# Altium PCB Copy of MB1364.PcbDoc (part 5 of 8) (continued)
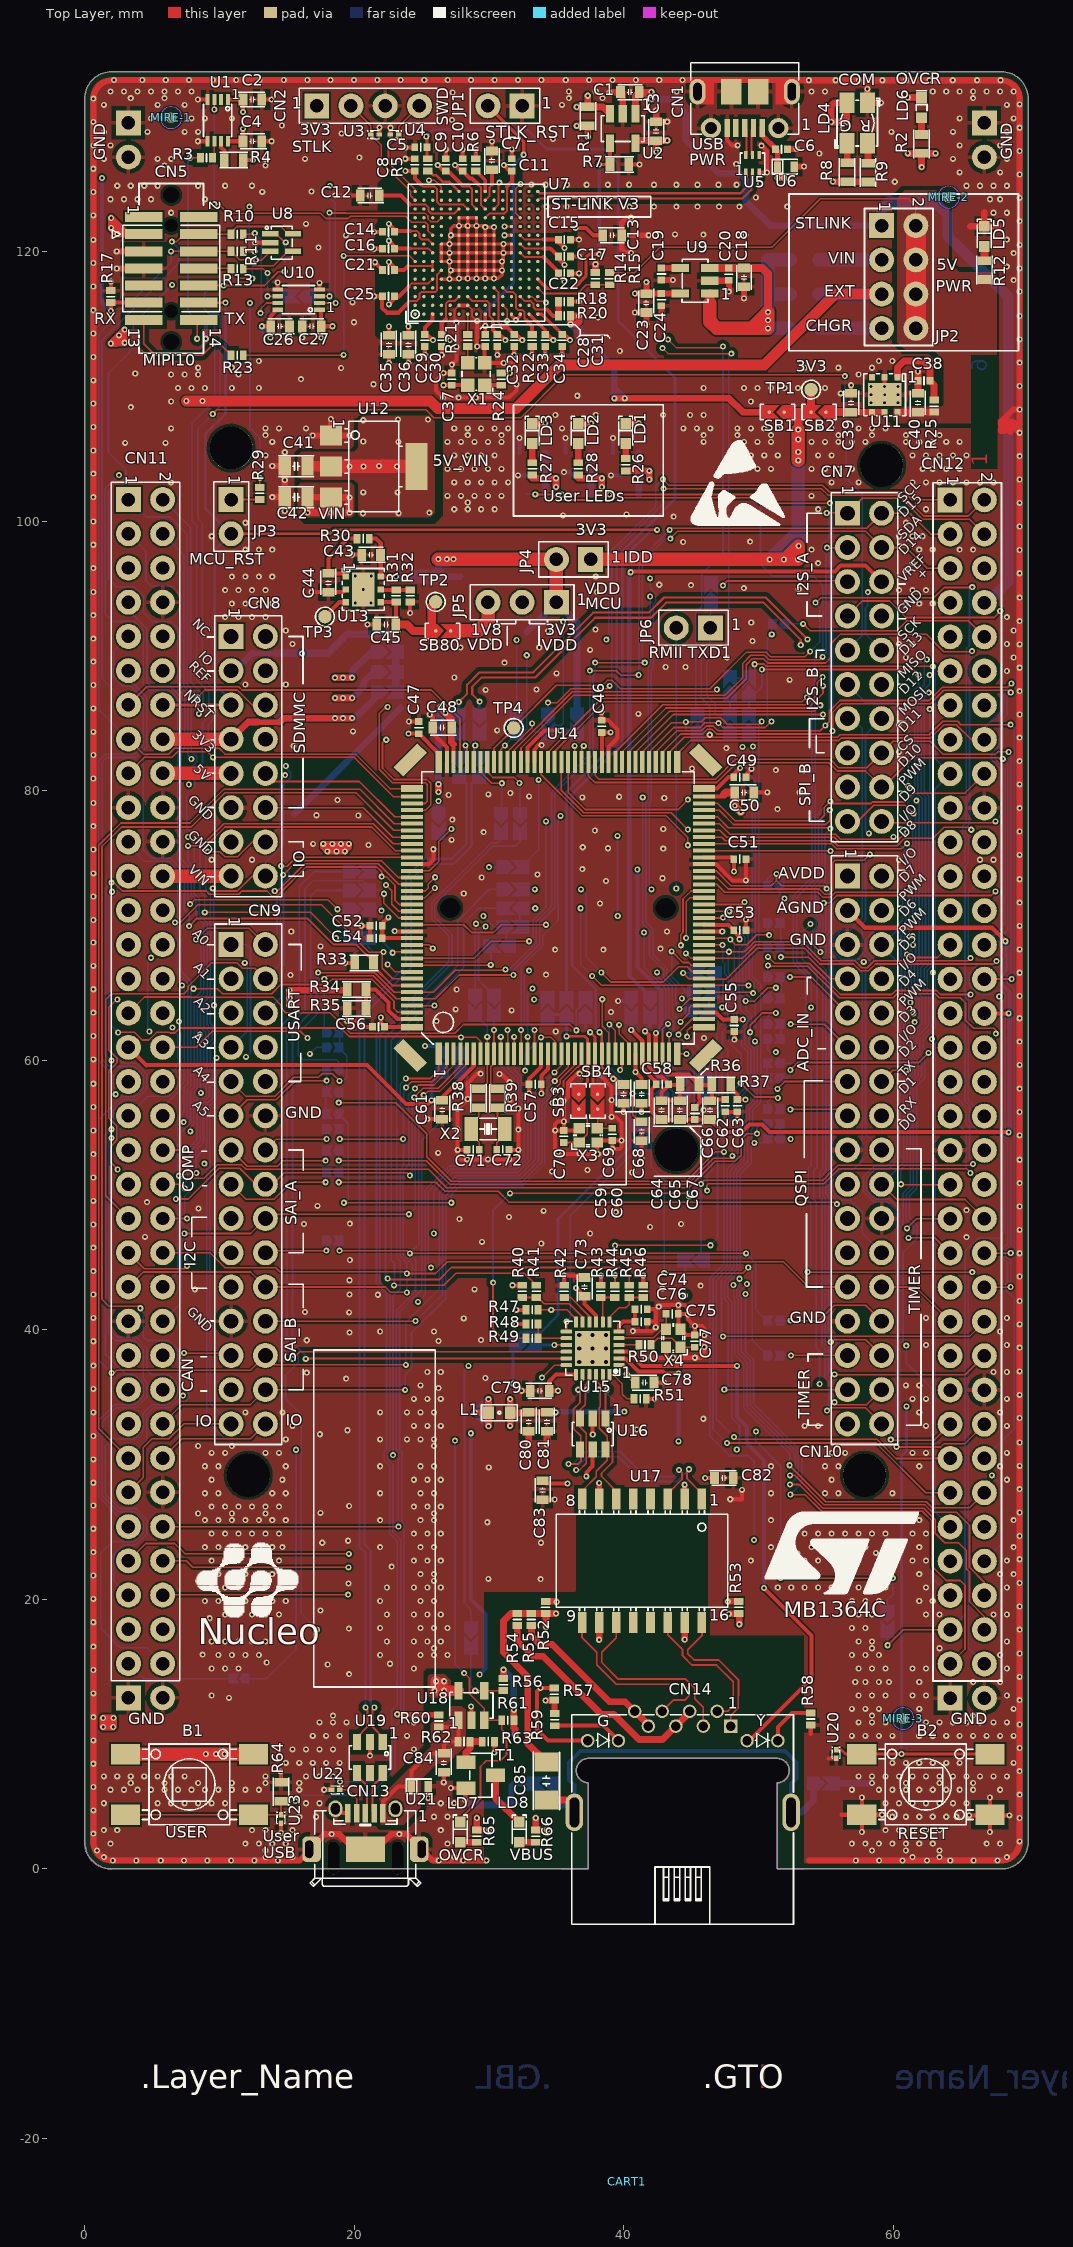
[diagram p0: Top Layer view]
## Nets (pads, with @x,y where several pads share a name; then routed paths per layer and width w, separated by ;. In a path a pad name is that pad's centre, name@x,y a point inside that pad or via, vN(x,y) a via of type N, cw(c..) or ccw(c..) an arc to the next point about the centre after c; other vN are vias at no path point) (continued)
  Top Layer w0.3: 34.296,115.684 34.751,115.229 R20.1@35.141,115.229
  Top Layer w0.45: R20.1@35.141,115.229 R18.1@35.141,116.279
NetR21_1: R21.1 X1.3 | length 1.2
  Top Layer w0.12: X1.3@28.416,111.729 R21.1@28.416,112.954
NetR21_2: R21.2 U7.G1 | length 1.5
  Top Layer w0.12: R21.2@28.416,113.854 U7.G1@28.416,115.354
NetR22_2: R22.2 U7.L4 | length 4.8
  Top Layer w0.15: U7.L4@31.016,117.304 31.341,116.979 31.794,116.979 31.991,116.782 31.991,115.829 32.146,115.674 32.449,115.674 32.636,115.486 32.636,115.034 32.791,114.879
  Top Layer w0.3: 32.791,114.879 33.191,114.479 R22.2@33.191,113.854
NetR24_2: R24.2 X1.1 | length 1.3
  Top Layer w0.3: X1.1@29.666,110.079 R24.2@30.916,110.079
NetR31_1: R31.1 R32.2 U13.5 | length 2.2
  Top Layer w0.3: U13.5@21.966,94.929 21.995,94.9 R31.1@23.1,94.9 R32.2@24.15,94.9
NetR34_1: R34.1 R35.1 U14.143 | length 6.1
  Top Layer w0.3: R35.1@20.875,63.85 R34.1@20.875,65.25 21.575,65.25 22.55,64.275 22.55,63.7 23.196,63.054 U14.143@24.291,63.054
NetR40_1: R40.1 R41.2 U15.11 | length 5.4
  Top Layer w0.127: R40.1@32.466,42.404 R41.2@33.516,42.404 33.616,42.404 34.091,41.929 35.941,41.929 36.941,40.929 U15.11@36.941,40.579
NetR42_1: R42.1 U15.10 | length 2.9
  Top Layer w0.127: R42.1@35.566,42.404 36.041,42.404 37.441,41.004 U15.10@37.441,40.579
NetR43_1: R43.1 R44.2 U15.8 | length 2.9
  Top Layer w0.127: U15.8@38.441,40.579 38.441,42.254 R43.1@38.291,42.404 R44.2@39.341,42.404
NetR45_2: R45.2 R46.1 U15.7 | length 3.8
  Top Layer w0.127: U15.7@38.941,40.579 38.941,40.929 39.641,41.629 40.141,41.629 40.391,41.879 R45.2@40.391,42.404 R46.1@41.441,42.404
NetR48_1: R48.1 R49.2 U15.14 | length 3.1
  Top Layer w0.12: R48.1@33.641,40.379 R49.2@33.641,39.379 U15.14@35.741,39.379
NetR50_2: R50.2 U15.4 | length 1.5
  Top Layer w0.12: U15.4@39.641,38.879 R50.2@41.116,38.879
NetR51_1: R51.1 U15.24 | length 3
  Top Layer w0.12: U15.24@38.941,36.679 39.191,36.679 39.891,35.979 39.891,35.229 40.241,34.879 R51.1@40.766,34.879
NetR52_2: R52.2 U17.10 | length 7
  Top Layer w0.5: R52.2@34.191,19.854 34.971,19.854 v1@35,19.825 ; U17.10@38.171,18.284 38.171,17.004 v1@38.175,17
  Signal Layer 3 w0.5: v1@35,19.825 35.6,19.225 35.6,18.225 36.821,17.004 v1(38.166,17.004)
  other v1: 35.016,19.804
NetR53_2: R53.2 U17.15 | length 7.5
  Top Layer w0.5: U17.15@44.521,18.284 44.521,17.029 v1@44.525,17.025 ; v1@47.725,19.825 47.754,19.854 R53.2@48.516,19.854
  Signal Layer 3 w0.5: v1(44.516,17.029) 46.679,17.029 47.125,17.475 47.125,19.3 v1@47.675,19.85
  other v1: 47.716,19.829
NetR60_2: R60.2 SB23.2 | length 75.8
  Top Layer w0.12: v1(23.191,11.479) v1@23.241,11.429
  Top Layer w0.4: v1@23.241,11.429 R60.2@26.266,11.429
  Bottom Layer w0.12: v1(23.191,11.479) 23.435,11.723 23.435,24.43 22.87,24.995 22.87,30.005 22.47,30.405 22.47,30.868 22.635,31.033 22.635,42.805 21.89,43.55 21.89,61.84 27.251,67.201 27.251,69.324 25.975,70.6 25.975,71.591 30.281,75.898 31.973,75.898 32.3,76.225 SB23.2@32.3,76.975
NetR62_2: R62.2 R63.2 T1.1 | length 2.6
  Top Layer w0.5: T1.1@28.291,7.904 28.291,8.654 28.591,8.954 R62.2@28.591,9.454 R63.2@29.491,9.454
NetR73_1: R73.1 SB39.2 SB47.2 | length 64.2
  Top Layer w0.127: v1(38.939,101.967) 38.951,101.979 v1(50.136,101.979)
  Signal Layer 2 w0.127: v1(47.3,63.925) v1(53.9,63.925)
  Bottom Layer w0.12: 50.136,100.9 50.136,96.789 51,95.925 54.05,95.925 54.761,95.214 54.761,90.509 54.17,89.918 54.17,86.169 54.193,86.146 54.193,83.428 54.197,83.425
  Bottom Layer w0.127: SB47.2@46.3,63.675 SB47.2@46.325,63.7 ; SB39.2@46.5,65.075 46.325,64.9 SB47.2@46.325,63.7 ; v1(47.3,63.925) 46.55,63.925 SB47.2@46.325,63.7 ; 50.136,100.9 v1(50.136,101.979) ; v1(53.9,63.925) 53.9,66.252 52.819,67.332 52.819,72.09 54.197,73.467 54.197,83.425
  Bottom Layer w0.3: v1(38.939,101.967) R73.1@39.714,101.967
NetSB13_2: SB13.2 U14.95 | length 5.3
  Top Layer w0.3: U14.95@32.866,82.129 32.866,83.199 34.117,84.45 v1(35.275,84.45)
  Bottom Layer w0.3: v1(35.275,84.45) 36.425,84.45 SB13.2@36.525,84.35
NetSB25_2: SB25.2 U14.121 | length 6.1
  Top Layer w0.12: U14.121@24.291,74.054 25.573,74.054 26.271,74.752 26.271,76.221 v1(27.2,77.15)
  Bottom Layer w0.12: SB25.2@26.25,76.975 26.425,77.15 v1(27.2,77.15)
NetSB56_1: SB56.1 U14.38 | length 6.7
  Top Layer w0.127: v1(44.05,61.9) 44.05,62.05 45.05,63.05 45.05,63.054 U14.38@45.941,63.054
  Bottom Layer w0.127: v1(44.05,61.9) 44.05,61.725 46.025,59.75 SB56.1@46.025,58.5
NetSB74_2: SB74.2 U15.15 | length 2.5
  Top Layer w0.12: v1(34.841,38.879) U15.15@35.741,38.879
  Bottom Layer w0.2: SB74.2@33.291,38.879 v1(34.841,38.879)
NetTP3_1: TP3.1 U13.3 | length 2
  Top Layer w0.3: TP3.1@17.825,92.909 18.895,93.979 U13.3@19.366,93.979
NRST: B2.1 B2.2 C59.2 CN5.12 CN8.5 CN11.14 JP3.2 SB74.1 U14.25 U20.1 U24.5 | length 213.8
  Top Layer w0.12: JP3.2@10.866,99.059 JP3.2@11.156,99.349
  Top Layer w0.2: CN11.14@5.786,86.359 CN8.5@10.866,86.359 ; CN5.12@8.453,116.204 v1(10.441,116.204) ; JP3.2@10.866,99.059 18.176,99.059 18.466,99.349 v1(42.475,99.349) ; v1(38.2,62.075) 38.366,61.909 U14.25@38.366,60.479 38.366,59.472 v1(39.213,58.625) 39.4,58.625 39.825,58.2 C59.2@39.975,58.2 ; U20.1@55.748,8.835 56.135,8.835 56.447,8.523 B2.1@57.653,8.523 v1(60.6,8.523) B2.2@67.153,8.523
  Signal Layer 2 w0.2: v1(31.775,36) v1(31.775,36) 39.301,35.999 39.976,35.324 42.861,35.324 43.08,35.105 45.42,35.105 47.05,33.475 55.2,33.475 56.05,34.325 v1(60.975,34.325)
  Bottom Layer w0.2: U24.5@9.641,116.204 v1(10.441,116.204) 10.441,107.941 8.941,106.441 8.941,100.984 JP3.2@10.866,99.059 9.641,97.834 9.641,87.904 10.866,86.679 CN8.5@10.866,86.359 ; v1(31.775,36) 31.775,38.463 SB74.1@32.191,38.879 32.191,39.666 32.379,39.854 33.879,39.854 35.121,41.096 35.121,48.221 40.45,53.55 40.45,56.304 40.159,56.595 40.155,56.595 39.6,57.15 39.6,58.238 v1(39.213,58.625) ; v1(38.2,62.075) 37.925,62.35 37.925,65.25 36.15,67.025 36.15,79.734 39.875,83.459 39.875,97.172 42.052,99.349 v1(42.475,99.349) ; v1(60.6,8.523) 60.6,30.65 60.975,31.025 v1(60.975,34.325)
OSC32_IN: C71.1 R38.2 X2.2 | length 3.6
  Top Layer w0.12: R38.2@29.225,56.475 29.225,55.825 28.675,55.275 X2.2@28.675,54.9 28.675,54.5 29.275,53.9 C71.1@29.275,53.35
OSC32_OUT: C72.1 R39.2 X2.1 | length 3.6
  Top Layer w0.12: C72.1@30.575,53.35 30.575,53.875 31.175,54.475 X2.1@31.175,54.9 31.175,55.275 30.625,55.825 R39.2@30.625,56.475
OSC_IN: C70.1 SB3.2 X3.1 | length 4.1
  Top Layer w0.12: C70.1@35.55,53.9 X3.1@36.675,53.9 37.17,54.395 37.175,54.395 37.28,54.5 37.28,55.745 SB3.2@36.65,56.375
OSC_OUT: C69.1 SB4.2 X3.3 | length 2.5
  Top Layer w0.12: SB4.2@38.05,56.375 38.05,54.975 38.075,54.95 C69.1@39.15,54.95
PA0: CN11.28 SB58.2 SB75.1 U14.34 | length 81.7
  Top Layer w0.12: U14.34@42.866,60.479 42.866,62.291 v1(43.275,62.7) ; v1(43,44.2) 48.825,44.2 49.25,44.625 49.234,44.625 v1(49.229,44.629)
  Signal Layer 2 w0.12: CN11.28@5.786,68.579 7.104,68.579 9.947,71.422 17.953,71.422 20.452,68.923 23.417,68.923 23.967,69.473 v1(41.5,69.475) v1(41.5,69.475)
  Bottom Layer w0.12: v1(41.5,69.475) 41.5,66.9 43.105,65.295 43.105,62.87 v1(43.275,62.7) 43.275,62.458 42.875,62.058 SB58.2@42.875,58.6 42.875,58.45 43.675,57.65 43.675,56.575 42.025,54.925 42.025,52.075 43,51.1 v1(43,44.2) ; v1(49.229,44.629) 49.532,44.326 49.532,39.243 SB75.1@50.675,38.1
PA1: CN11.30 SB57.1 U14.35 | length 50.3
  Top Layer w0.12: U14.35@43.366,60.479 v1(43.366,61.916)
  Signal Layer 2 w0.12: CN11.30@5.786,66.039 5.786,66.279 9.279,66.279 10.144,67.144 11.324,67.144 11.734,66.734 12.199,66.734 12.849,67.384 17.716,67.384 19.255,65.845 38.241,65.845 38.921,66.525 v1@42.425,66.525 ; 41.33,66.52 v1(42.453,66.52)
  Bottom Layer w0.12: v1(42.453,66.52) 42.453,66.522 42.45,66.525 42.45,66.289 43.345,65.394 43.345,63.21 43.68,62.875 43.68,62.23 v1(43.366,61.916) 43.366,59.759 44.425,58.7 SB57.1@44.425,58.5
PA2: CN12.35 SB72.1 U14.36 | length 44.6
  Top Layer w0.127: U14.36@43.966,60.479 44.646,60.479 v1(44.65,60.475) ; v1@45.7,50.825 45.968,51.093 54.774,51.093 55.886,52.205 65.805,52.205 v1(65.9,52.3)
  Bottom Layer w0.127: v1(44.65,60.475) 45.2,59.925 45.2,55.504 46.277,54.427 46.277,51.923 45.725,51.371 v1(45.725,50.825) SB72.1@45.725,45.1 ; CN12.35@64.206,58.394 64.206,57.71 65.398,56.519 65.398,55.295 65.638,55.055 65.638,52.562 v1(65.9,52.3)
PA3: CN9.1 CN12.37 U14.37 | length 83.8
  Top Layer w0.12: v1(44.7,61.75) 44.7,62.2 44.954,62.454 U14.37@45.941,62.454 ; v1(46.177,50.327) 46.155,50.35 46.155,50.705 46.3,50.85 54.875,50.85 55.987,51.962 65.42,51.962 65.703,51.678 v1(65.703,51.628)
  Signal Layer 2 w0.12: v1(11.975,60.25) 12.405,59.82 14.181,59.82 15.586,61.225 24.625,61.225 25.025,61.625 27.086,61.625 27.701,61.01 43.96,61.01 v1(44.7,61.75)
  Bottom Layer w0.12: CN9.1@10.866,68.579 12.022,68.579 12.301,68.3 12.301,60.576 v1(11.975,60.25) ; v1(44.7,61.75) 46.85,59.6 46.85,56.5 46.52,56.17 46.52,51.822 46.187,51.488 46.187,50.337 v1(46.177,50.327) ; CN12.37@64.206,55.854 65.394,54.666 65.394,52.006 65.703,51.697 v1(65.703,51.628)
PA4: CN7.17 CN11.32 U14.40 | length 83.9
  Top Layer w0.12: v1(44.2,62.85) 44.85,63.5 44.85,63.875 45.029,64.054 U14.40@45.941,64.054
  Signal Layer 2 w0.12: CN11.32@5.786,63.499 4.724,63.499 4.375,63.15 4.375,60.807 5.602,59.58 9.805,59.58 10.079,59.854 11.596,59.854 11.87,59.58 14.28,59.58 15.685,60.985 24.742,60.985 25.082,60.645 44.168,60.645 45.105,61.582 45.105,61.97 44.225,62.85 v1(44.2,62.85) ; v1(41.402,79.504) 41.793,79.895 49.224,79.895 49.649,80.32 56.57,80.32 CN7.17@56.575,80.325
  Bottom Layer w0.12: v1(41.402,79.504) 41.402,79.517 41.405,79.52 41.405,70.145 41.905,69.645 41.905,67.759 42.957,66.707 42.957,66.122 43.6,65.479 43.6,63.45 v1(44.2,62.85)
PA5: CN7.10 CN12.11 SB47.1 U14.41 | length 61.9
  Top Layer w0.12: v1(44.125,63.8) 44.879,64.554 U14.41@45.941,64.554
  Signal Layer 2 w0.12: v1(41.95,94.4) 41.952,94.398 57.044,94.398 57.371,94.725 v1(58.1,94.725) ; CN7.10@59.126,90.423 62.657,90.423 CN12.11@64.206,88.874
  Bottom Layer w0.12: v1(41.95,94.4) 41.955,94.395 41.955,89.332 41.807,89.184 41.807,79.336 41.645,79.174 41.645,70.244 42.145,69.744 42.145,67.859 43.197,66.807 43.197,66.221 43.84,65.578 43.84,64.085 v1(44.125,63.8) 45.1,63.8 SB47.1@45.225,63.675 ; v1(58.1,94.725) 58.1,93.725 57.931,93.556 57.931,91.618 CN7.10@59.126,90.423
PA6: CN7.12 CN12.13 U14.42 | length 44.5
  Top Layer w0.12: U14.42@45.941,65.054 49.517,65.054 v1(49.595,64.976)
  Signal Layer 2 w0.12: v1(49.575,83.275) 54.975,83.275 55.925,84.225 62.097,84.225 CN12.13@64.206,86.334 62.657,87.883 CN7.12@59.126,87.883
  Bottom Layer w0.12: v1(49.575,83.275) 49.575,82.325 49.07,81.82 49.07,81.457 49.76,80.767 49.76,68.437 49.285,67.962 49.285,66.115 49.655,65.745 v1@49.655,64.976
PA7: CN12.15 SB31.1 SB33.2 U14.43 | length 58.1
  Top Layer w0.12: v1(37.65,66.25) 38.346,65.554 U14.43@45.941,65.554 45.945,65.55 v1(49.25,65.55)
  Signal Layer 2 w0.12: v1(33.425,71.275) v1(36.8,71.275) ; v1(48.8,83.25) 48.825,83.25 49.205,82.87 49.743,82.87 49.908,83.035 55.074,83.035 55.947,83.908 64.206,83.908 CN12.15@64.206,83.794
  Bottom Layer w0.12: SB33.2@32.375,69.875 32.275,69.975 SB31.1@32.275,71.275 v1(33.425,71.275) ; v1(36.8,71.275) 36.8,67.1 v1(37.65,66.25) ; v1(48.8,83.25) 48.22,82.67 48.22,81.355 49.52,80.055 49.52,68.536 49.045,68.061 49.045,65.755 v1(49.25,65.55)
PA8: CN12.23 TP4.1 U14.100 | length 66.7
  Top Layer w0.12: U14.100@30.366,82.129 30.366,83.141 31.825,84.6 TP4.1@31.825,84.65 34.985,87.81 38.412,87.81 38.782,88.18 39.14,88.18 39.75,87.57 46.4,87.57 46.495,87.665 46.495,87.668 49.107,90.28 50.537,90.28 50.869,89.948 53.448,89.948 v1(53.825,90.325) ; v1(54.225,93.95) 54.25,93.925 54.633,94.308 62.997,94.308 63.764,95.075 65.85,95.075 v1(65.85,95.1)
  Bottom Layer w0.12: v1(53.825,90.325) 54.521,91.021 54.521,93.654 v1(54.225,93.95) ; CN12.23@64.206,73.634 65.311,74.739 65.311,76.632 65.13,76.813 65.13,77.367 65.401,77.638 65.401,90.526 65.641,90.766 65.641,94.891 v1(65.85,95.1)
PA9: CN12.21 SB23.1 U14.101 | length 41.1
  Top Layer w0.12: U14.101@29.866,82.129 29.866,81.399 30.29,80.975 31.875,80.975 32.25,80.6 v1(32.25,80.575)
  Signal Layer 2 w0.12: v1(32.25,80.575) 32.69,80.135 49.125,80.135 49.55,80.56 55.32,80.56 56.128,81.368 59.584,81.368 60.231,80.721 60.231,80.149 CN12.21@64.206,76.174
  Bottom Layer w0.12: v1(32.25,80.575) 32.3,80.525 SB23.1@32.3,78.075
PA10: CN12.33 SB24.1 U14.102 | length 58.5
  Top Layer w0.12: U14.102@29.366,82.129 29.366,81.384 30.2,80.55 v1(30.95,80.55)
  Signal Layer 2 w0.12: v1(30.95,80.55) 31.38,80.98 32.418,80.98 33.023,80.375 49,80.375 49.425,80.8 55.221,80.8 56.029,81.608 59.683,81.608 60.471,80.82 60.471,80.248 61.465,79.254 v1(61.703,79.254) ; v1(61.578,62.828) 62.312,62.828 CN12.33@64.206,60.934
  Bottom Layer w0.12: SB24.1@30.9,78.075 30.95,78.125 v1(30.95,80.55) ; v1(61.578,62.828) 61.901,63.151 61.901,64.566 61.56,64.907 61.56,67.083 61.901,67.424 61.901,79.025 61.676,79.25 61.699,79.25 v1(61.703,79.254)
PA11: SB16.2 SB21.1 U14.103 | length 3.6
  Top Layer w0.127: U14.103@28.866,82.129 28.866,83.216 28.975,83.325 v1(28.975,83.35)
  Bottom Layer w0.127: v1@28.975,83.325 28.975,82.425 29.3,82.1 ; v1(28.975,83.35) 28.975,84.125 29.125,84.275
PA12: SB17.2 SB22.1 U14.104 | length 3.8
  Top Layer w0.127: v1(28.25,83.35) 28.25,83.3 28.366,83.184 U14.104@28.366,82.129
  Bottom Layer w0.127: SB22.1@27.766,82.229 27.766,82.316 28.2,82.75 28.2,83.375 v1@28.225,83.35 ; SB17.2@27.775,84.35 28.15,83.975 28.15,83.45 v1(28.25,83.35)
PA13: CN5.4 CN11.13 R10.1 U8.5 U14.105 | length 76.9
  Top Layer w0.12: CN11.13@3.246,86.359 4.594,87.707 10.887,87.707 10.89,87.711 11.426,87.711 11.673,87.464 25.711,87.464 27.845,85.33 27.845,82.15 U14.105@27.866,82.129 ; v1(6.466,120.729) 6.816,120.729 7.371,121.284 CN5.4@8.453,121.284 10.861,121.284 10.861,121.424 11.291,121.854 14.541,121.854 15.091,121.304 U8.5@15.466,121.304
  Bottom Layer w0.12: CN11.13@3.246,86.359 1.286,88.319 1.286,113.424 6.991,119.129 6.991,120.204 v1(6.466,120.729)
PA14: CN5.6 CN11.15 R11.2 U8.4 U14.109 | length 72.2
  Top Layer w0.12: CN11.15@3.246,83.819 4.351,82.714 6.244,82.714 6.669,83.139 9.983,83.139 10.408,82.714 20.086,82.714 22.646,80.154 U14.109@24.291,80.154 ; v1(6.401,120.014) CN5.6@8.453,120.014 10.856,120.014 R11.2@10.866,120.004 11.491,119.379 12.091,119.379 12.521,118.949 14.011,118.949 15.066,120.004 U8.4@15.466,120.004
  Bottom Layer w0.12: CN11.15@3.246,83.819 1.046,86.019 1.046,113.848 6.401,119.203 v1(6.401,120.014)
PA15: CN5.10 CN7.9 CN11.17 U8.1 U14.110 | length 141.9
  Top Layer w0.12: CN11.17@3.246,81.279 4.441,82.474 6.483,82.474 6.909,82.899 9.101,82.899 v1(9.526,82.474) 19.987,82.474 22.907,79.554 U14.110@24.291,79.554 ; CN5.10@8.453,117.474 v1(10.3,117.474) 13.336,117.474 14.366,118.504 v1(14.841,118.504) ; v1(9.5,107.95) 9.8,108.25 25.325,108.25 25.9,107.675 32.375,107.675 35.55,110.85 56.3,110.85 v1(56.4,110.75) ; U8.1@13.766,121.304 14.216,121.304 14.841,120.679 v1(14.916,120.679)
  Bottom Layer w0.12: v1(9.526,82.474) 9.161,82.839 9.161,84.867 9.618,85.324 9.618,87.508 8.736,88.39 8.736,99.864 8.375,100.225 8.375,106.825 v1(9.5,107.95) 10.061,108.511 10.061,115.164 9.875,115.35 9.275,115.35 8.9,115.725 8.9,116.925 9.449,117.474 v1(10.3,117.474) ; v1(14.841,118.504) 14.841,120.604 v1(14.916,120.679) ; v1(56.4,110.75) 56.4,109.839 56.496,109.743 56.496,103.204 57.691,102.009 57.691,91.528 CN7.9@56.586,90.423
PB0: CN10.31 CN11.34 SB39.1 U14.46 | length 92.7
  Top Layer w0.12: CN11.34@5.786,60.959 8.284,60.959 9.479,62.154 16,62.154 16.529,61.625 v1(16.529,61.646) ; v1(43.55,68.075) 44.375,67.25 44.8,67.25 44.996,67.054 U14.46@45.941,67.054 ; v1(47.45,35.575) 47.45,35.55 47.452,35.552 56.579,35.552 CN10.31@56.586,35.559
  Signal Layer 2 w0.12: v1(16.529,61.646) 24.707,61.646 24.926,61.865 27.185,61.865 27.8,61.25 42.173,61.25 42.78,61.857 42.78,62.198 42.775,62.203 42.775,63.05 v1(44.3,64.575) 47.85,61.025 48.612,61.025 48.987,61.4 v1(49.725,61.4)
  Bottom Layer w0.12: v1(43.55,68.075) 43.55,66.208 44.5,65.258 44.5,65.075 ; v1(44.3,64.575) 44.3,64.875 44.5,65.075 ; SB39.1@45.4,65.075 44.5,65.075 ; v1(47.45,35.575) 47.755,35.88 47.755,41.99 47.482,42.262 47.482,43.6 48.385,44.502 48.385,51.642 49.202,52.459 49.202,54.923 49.31,55.031 49.31,56.396 49.67,56.756 49.67,56.76 49.91,57 49.91,61.19 49.725,61.375 v1(49.725,61.4)
PB1: CN9.7 CN12.24 U14.47 | length 73.1
  Top Layer w0.12: v1(44.602,67.927) 44.975,67.554 U14.47@45.941,67.554 48.783,67.554 49.789,68.56 53.473,68.56 54.649,67.384 57.143,67.384 57.658,66.869 58.054,66.869 58.569,67.384 65.509,67.384 65.7,67.575 v1(65.725,67.575)
  Signal Layer 2 w0.12: v1(11.875,67.225) 11.9,67.225 11.975,67.3 11.975,68.711 12.948,69.684 14.031,69.684 16.091,67.624 17.816,67.624 18.814,66.625 21.427,66.625 22.307,67.505 22.82,67.505 23.435,66.89 29.367,66.89 30.132,67.655 44.425,67.655 44.602,67.832 v1(44.602,67.927)
  Bottom Layer w0.12: CN9.7@10.866,60.959 10.87,60.959 12.061,62.15 12.061,67.039 v1(11.875,67.225) ; v1(65.725,67.575) 65.551,67.749 65.551,72.439 CN12.24@66.746,73.634
PB2: CN12.22 SB63.1 SB69.1 U14.48 | length 83.3
  Top Layer w0.12: v1(18.85,52.55) 25.337,52.55 27.099,50.788 44.725,50.788 46.677,52.74 47.884,52.74 v1(48.049,52.905) ; U14.48@45.941,68.054 47.25,68.054 ; 47.25,68.05 v1(47.8,68.05) 48.939,68.05 49.689,68.8 53.806,68.8 v1(54.578,68.028) ; v1(48.675,58.3) 49.7,57.275 51.4,57.275 51.428,57.247 v1(51.428,57.203) ; v1(54.83,71.675) 55.252,71.675 55.8,72.224 67.249,72.224 67.554,72.529 v1(67.578,72.529)
  Signal Layer 1 w0.12: v1@51.425,57.205 v1(51.428,57.203)
  Signal Layer 2 w0.12: CN12.22@66.746,76.174 67.851,75.069 67.851,72.758 67.621,72.529 v1(67.578,72.529)
  Bottom Layer w0.12: v1(18.85,52.55) SB69.1@18.85,53.3 ; v1(47.8,68.05) 47.725,68.05 47.74,68.035 47.74,66.473 48.013,66.2 48.013,64.754 48.39,64.377 48.39,62.315 47.795,61.72 47.795,61.357 48.675,60.477 v1(48.675,58.3) 48.14,57.765 48.14,56.202 47.78,55.842 47.78,55.308 48.049,55.039 v1(48.049,52.905) ; SB63.1@50.675,56.375 50.675,56.95 50.928,57.203 v1(51.428,57.203) ; v1(54.578,68.028) 54.578,69.151 54.995,69.569 54.995,71.51 v1(54.83,71.675)
PB3: CN12.31 SB26.1 SB32.2 U14.133 | length 62.6
  Top Layer w0.12: v1(22.85,67.975) 22.929,68.054 U14.133@24.291,68.054 ; v1(61.428,69.203) v1@61.428,69.222
  Signal Layer 2 w0.12: v1(22.025,71.1) 22.97,72.045 22.97,73.28 24.564,74.875 29.45,74.875 v1(30,74.325) 30.55,74.875 57.57,74.875 58.021,74.424 58.021,73.201 58.668,72.554 60.671,72.554 61.428,71.797 v1(61.428,69.203) ; v1(61.253,64.278) 61.322,64.278 62.126,63.474 CN12.31@64.206,63.474
  Bottom Layer w0.12: 21.225,71.3 21.825,71.3 v1(22.025,71.1) 22.079,71.046 22.079,68.821 22.85,68.05 v1(22.85,67.975) ; v1(30,74.325) SB26.1@31.275,74.325 ; v1(61.253,64.278) 61.08,64.451 61.08,67.334 61.421,67.675 61.421,68.002 61.045,68.378 61.045,68.718 61.428,69.101 v1(61.428,69.203)
PB4: CN7.19 CN12.27 U14.134 | length 61.5
  Top Layer w0.12: U14.134@24.291,67.554 28.879,67.554 30.15,68.825 v1(32.975,68.825) ; CN7.19@56.586,77.723 57.348,77.723 58.543,78.918 60.857,78.918 v1(61.475,78.3) ; v1(61,67.85) 61.226,67.624 63.276,67.624 CN12.27@64.206,68.554
  Signal Layer 2 w0.12: v1(34.227,77.723) 34.245,77.705 56.568,77.705 CN7.19@56.586,77.723
  Bottom Layer w0.12: v1(32.975,68.825) 33,68.825 33.275,69.1 33.275,70.4 34.227,71.352 v1(34.227,77.723) ; v1(61,67.85) 60.805,68.045 60.805,69.153 61.661,70.009 61.661,78.1 61.4,78.361 61.4,78.375 v1(61.475,78.3)
PB5: CN7.13 CN12.29 SB35.2 U14.135 | length 65.4
  Top Layer w0.12: U14.135@24.291,67.054 30.121,67.054 30.125,67.05 v1(30.125,67.075)
  Signal Layer 2 w0.12: v1(30.125,67.075) 30.465,67.415 47.743,67.415 49.201,68.873 54.729,68.873 56.187,67.415 57.685,67.415 v1(57.8,67.3) 57.915,67.415 59.652,67.415 60.327,66.74 62.592,66.74 62.757,66.905 63.093,66.905 63.984,66.014 CN12.29@64.206,66.014
  Bottom Layer w0.12: v1(30.125,67.075) 30.175,67.125 SB35.2@30.175,68.475 ; CN7.13@56.586,85.343 56.963,85.343 57.691,84.615 57.691,79.25 57.695,79.246 57.695,78.99 57.691,78.986 57.691,70.516 56.859,69.684 56.128,69.684 55.481,69.037 55.481,68.121 56.128,67.474 57.626,67.474 v1(57.8,67.3)
PB6: CN12.17 SB8.2 SB9.2 SB61.1 U14.136 | length 103.1
  Top Layer w0.12: v1(22.475,67.1) 23.021,66.554 U14.136@24.291,66.554 ; v1(49.702,89.379) 49.716,89.393 50.406,89.393 50.571,89.228 62.922,89.228 v1(62.925,89.225) ; v1(52.35,59.275) 52.904,59.829 61.879,59.829 v1(62.6,60.55)
  Signal Layer 2 w0.12: v1(22.475,67.1) 22.475,67.075 22.9,66.65 30.35,66.65 30.875,67.175 47.842,67.175 49.301,68.633 54.629,68.633 56.088,67.175 57.013,67.175 57.559,66.629 58.153,66.629 58.699,67.175 59.553,67.175 60.228,66.5 v1(62.925,66.5)
  Bottom Layer w0.12: SB9.2@47.875,88.35 SB8.2@49.275,88.35 49.725,88.8 49.725,89.357 v1(49.702,89.379) ; SB61.1@51.575,58.725 SB61.1@51.575,58.7 52.125,58.7 52.35,58.925 v1(52.35,59.275) ; v1(62.6,60.55) 62.202,60.948 62.202,61.46 62.207,61.466 62.207,61.493 63.101,62.387 63.101,66.324 v1(62.925,66.5) 63.101,66.676 63.101,80.149 CN12.17@64.206,81.254 63.101,82.359 63.101,89.049 v1(62.925,89.225)
PB7: CN11.21 SB34.2 SB68.1 U14.137 | length 99.2
  Top Layer w0.12: v1(6.7,70.225) 7.1,70.225 8.4,71.525 17.575,71.525 21.075,68.025 v1@22.1,68.025 ; v1(6.991,51.429) 7.187,51.232 8.832,51.232 9.834,52.234 11.632,52.234 11.962,51.904 25.507,51.904 26.862,50.548 44.825,50.548 46.776,52.5 48.25,52.5 48.7,52.95 48.7,54.125 49.125,54.55 v1(49.875,54.55) ; v1(22.175,68.025) v1@22.1,68.025 ; U14.137@24.291,66.054 22.848,66.054 22.07,66.832 22.07,67.995 v1@22.1,68.025
  Bottom Layer w0.12: CN11.21@3.246,76.199 3.246,75.92 4.402,74.764 6.244,74.764 6.891,74.117 6.891,70.416 v1(6.7,70.225) 6.891,70.034 6.891,66.497 7.636,65.752 7.636,58.261 7.371,57.996 7.371,56.171 6.891,55.691 6.891,51.528 v1(6.991,51.429) ; SB34.2@21,69.075 21,68.45 21.425,68.025 v1(22.175,68.025) ; v1(49.875,54.55) 49.875,55 50.15,55.275 SB68.1@50.675,55.275
PB8: CN7.2 CN12.3 SB62.1 U14.139 | length 88
  Top Layer w0.12: v1(17.325,66.5) 21.511,66.5 22.957,65.054 U14.139@24.291,65.054 25.879,65.054 27.495,66.67 31.17,66.67 v1(31.225,66.725) ; v1(37.475,88.9) 39.438,88.9 39.763,88.575 v1(41.1,88.575) ; v1(43.4,99.35) 43.528,99.478 58.021,99.478 CN7.2@59.126,100.583 61.212,100.583 62.761,99.034 CN12.3@64.206,99.034
  Bottom Layer w0.12: v1(17.325,66.5) 17.195,66.37 17.195,63.374 15.845,62.024 15.845,60.38 16.175,60.05 18.675,60.05 18.85,59.875 SB62.1@18.85,59.35 ; v1(31.225,66.725) 31.5,66.725 33.515,68.74 33.515,70.301 34.632,71.418 34.632,79.882 37.475,82.725 v1(37.475,88.9) ; v1(41.1,88.575) 41.125,88.6 41.125,97.075 v1(43.4,99.35)
PB9: CN7.4 CN12.5 SB55.1 U14.140 | length 81.5
  Top Layer w0.12: v1(17.775,66.025) 17.775,66.05 17.985,66.26 21.411,66.26 23.118,64.554 U14.140@24.291,64.554 26.004,64.554 27.775,66.325 31.052,66.325 31.057,66.32 31.795,66.32 v1(31.8,66.325) ; v1(37.875,89.5) v1(41.55,89.5) ; v1(43.45,98.7) 43.988,99.238 57.931,99.238 CN7.4@59.126,98.043
  Top Layer w0.127: CN7.4@59.126,98.043 60.952,98.043 62.501,96.494 CN12.5@64.206,96.494
  Bottom Layer w0.12: v1(17.775,66.025) 17.775,62.225 SB55.1@17.95,62.05 ; v1(31.8,66.325) 31.8,66.686 33.755,68.641 33.755,70.201 34.872,71.318 34.872,79.783 37.715,82.626 37.715,88.567 37.88,88.732 37.88,89.211 37.875,89.216 v1(37.875,89.5) ; v1(41.55,89.5) 41.365,89.685 41.365,96.976 43.089,98.7 v1(43.45,98.7)
PB10: CN10.32 CN12.25 U14.69 | length 75.1
  Top Layer w0.12: U14.69@45.941,78.554 47.071,78.554 48.135,77.49 54.99,77.49 55.275,77.775 v1(55.275,78.554) ; 55.796,34.454 58.021,34.454 CN10.32@59.126,35.559
  Signal Layer 2 w0.12: v1(55.275,78.554) 55.515,78.554 56.029,79.068 57.143,79.068 57.458,78.753 58.268,78.753 58.343,78.828 59.584,78.828 60.595,77.817 60.595,76.732 60.832,76.495 61.905,76.495 63.101,75.299 63.101,72.199 CN12.25@64.206,71.094
  Bottom Layer w0.12: v1(55.275,78.554) 54.68,77.959 54.68,73.267 54.185,72.772 54.185,70.852 54.515,70.522 54.515,69.768 53.91,69.162 53.91,67.784 55.001,66.693 55.001,51.795 54.761,51.555 54.761,49.971 54.945,49.787 54.945,38.932 55.185,38.692 55.185,36.567 55.481,36.271 55.481,34.769 v1(55.625,34.625)
PB11: CN10.34 CN12.18 U14.70 | length 74.9
  Top Layer w0.12: U14.70@45.941,79.054 46.971,79.054 48.25,77.775 54.475,77.775 54.87,78.17 54.87,78.746 v1(55.328,79.204) 55.482,79.05 58.336,79.05 58.443,79.158 60.808,79.158 61.469,79.819 65.311,79.819 CN12.18@66.746,81.254 ; v1(55.075,34) 55.15,34 55.364,34.214 57.931,34.214 CN10.34@59.126,33.019
  Bottom Layer w0.12: v1(55.075,34) 55.22,34.145 55.22,36.193 54.945,36.468 54.945,38.593 54.705,38.833 54.705,49.687 54.521,49.871 54.521,51.654 54.761,51.894 54.761,66.593 53.67,67.685 53.67,69.262 54.275,69.867 54.275,70.423 53.945,70.753 53.945,72.872 54.44,73.367 54.44,78.315 v1@55.328,79.203
PB12: CN7.7 CN12.16 U14.73 | length 47.3
  Top Layer w0.12: U14.73@43.966,82.129 43.966,82.741 44.95,83.725 55.945,83.725 56.128,83.908 62.757,83.908 63.748,84.899 64.664,84.899 65.769,83.794 CN12.16@66.746,83.794 ; CN7.7@56.586,92.963 57.691,94.068 59.707,94.068 60.926,92.849 67.474,92.849 67.925,93.3 v1(67.925,93.325)
  Bottom Layer w0.12: CN12.16@66.746,83.794 66.746,84.671 67.925,85.85 v1(67.925,93.325)